# KiCad board OHSBadge.kicad_pcb
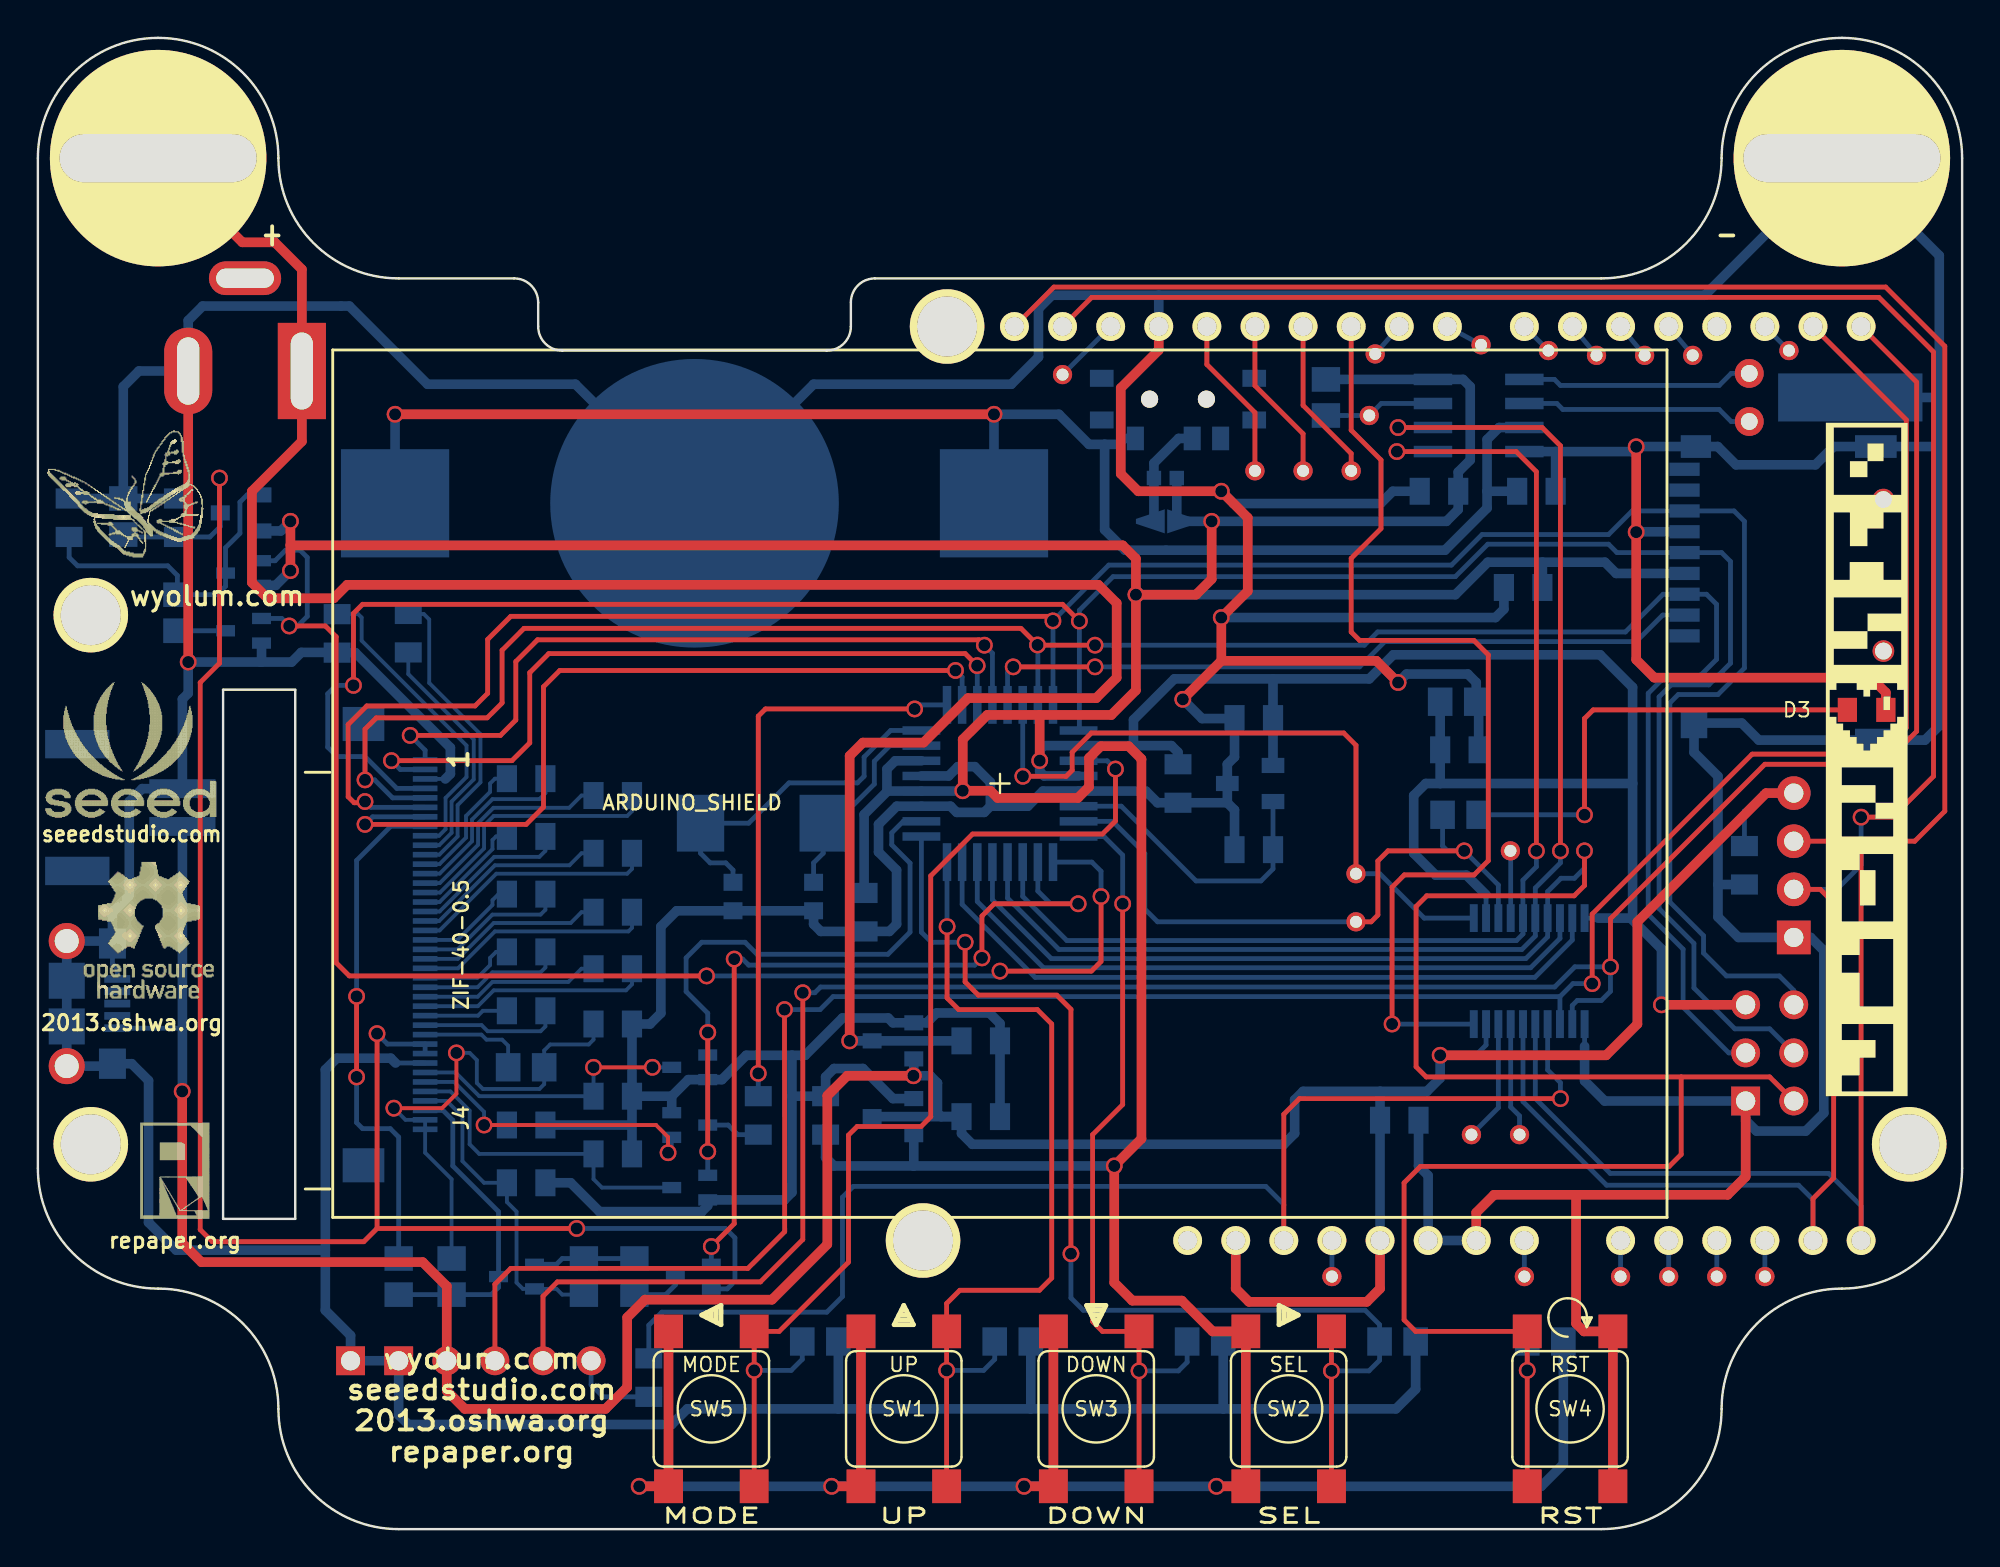
[diagram p0: board, top side]
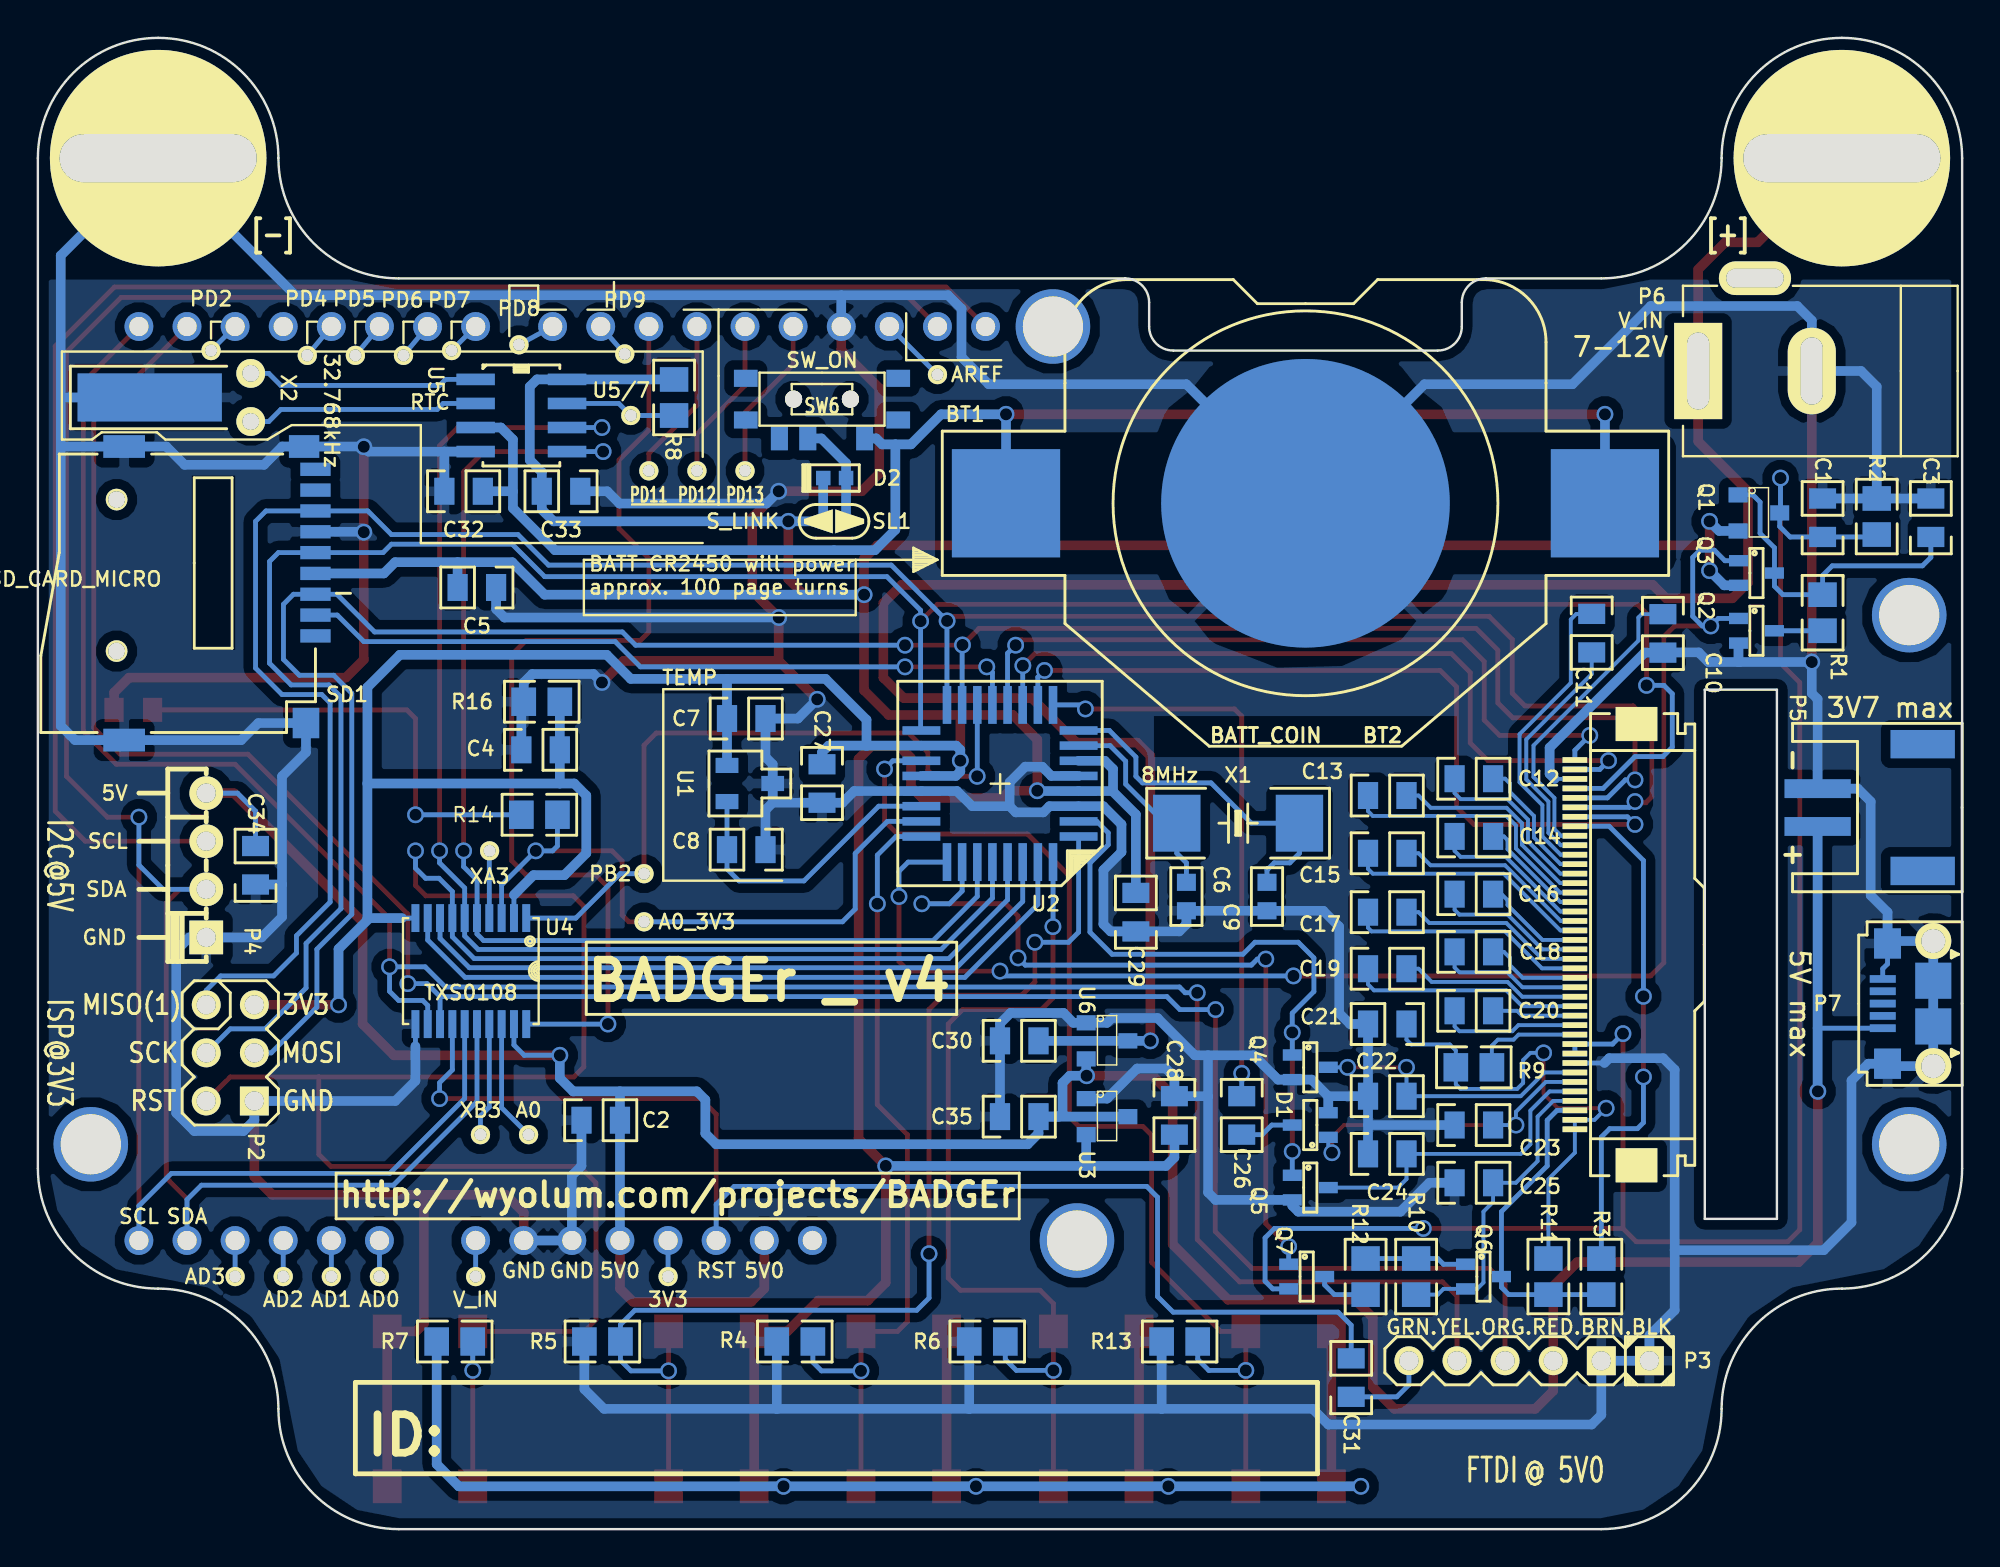
[diagram p1: board, bottom side, seen from below]

Outline 101.6 x 78.74 mm; copper layers: Top, Bottom. Coordinates in mm from the lower left corner of the outline.
Outline path: 0,72.39 arc(1.86,76.88) 6.35,78.74 arc(10.84,76.88) 12.7,72.39 arc(14.56,67.9) 19.05,66.04 25.15,66.04 arc(26.04,65.67) 26.42,64.77 26.42,63.5 arc(26.79,62.6) 27.69,62.23 41.66,62.23 arc(42.55,62.6) 42.93,63.5 42.93,64.77 arc(43.3,65.67) 44.2,66.04 82.55,66.04 arc(87.04,67.9) 88.9,72.39 arc(90.76,76.88) 95.25,78.74 arc(99.74,76.88) 101.6,72.39 101.6,19.05 arc(99.74,14.56) 95.25,12.7 arc(90.76,10.84) 88.9,6.35 arc(87.04,1.86) 82.55,0 19.05,0 arc(14.56,1.86) 12.7,6.35 arc(10.84,10.84) 6.35,12.7 arc(1.86,14.56) 0,19.05 0,72.39 ; 9.78,44.32 9.78,16.38 13.59,16.38 13.59,44.32 9.78,44.32

## Placement (name value [footprint] x y rotation side)
A0  -  [I/O]  75.69 20.83 0 bottom
A0_3V3  -  [I/O]  69.6 32.07 0 bottom
AD0  I/O  [Breakout]  83.57 13.33 0 bottom
AD1  I/O  [Breakout]  86.11 13.33 0 bottom
AD2  I/O  [Breakout]  88.65 13.33 0 bottom
AD3  I/O  [Breakout]  91.19 13.33 0 bottom
AREF1  I/O  [Breakout]  54.1 60.96 0 bottom
BT1  Batt_Clip  [CR2450_SMD]  34.67 54.17 180 bottom
BT2  BATT_COIN  [CR2032]  34.67 54.17 0 bottom
C1  2.2u,16V  [c_0805]  7.37 53.4 90 bottom
C2  0.1u,16V  [c_0805]  71.88 21.59 180 bottom
C3  0.1u,16V  [c_0805]  1.65 53.4 90 bottom
C4  0.1u,16V  [c_0805]  75.06 41.15 180 bottom
C5  0.1u,16V  [c_0805]  78.42 49.72 0 bottom
C6  22pF  [c_0603]  40.96 33.4 270 bottom
C7  1u,16V  [c_0805]  64.2 42.8 180 bottom
C8  0.1u,16V  [c_0805]  64.2 35.88 0 bottom
C9  22pF  [c_0603]  36.7 33.4 270 bottom
C10  2.2u,10V  [c_0805]  15.8 47.29 270 bottom
C11  2.2u,16V  [c_0805]  19.56 47.31 270 bottom
C12  2.2u,16V  [c_0805]  25.78 39.62 180 bottom
C13  2.2u,25V  [c_0805]  30.35 38.73 180 bottom
C14  2.2u,16V  [c_0805]  25.78 36.58 180 bottom
C15  2.2u,25V  [c_0805]  30.35 35.69 180 bottom
C16  2.2u,25V  [c_0805]  25.78 33.53 180 bottom
C17  2.2u,16V  [c_0805]  30.35 32.58 180 bottom
C18  2.2u,16V  [c_0805]  25.78 30.48 180 bottom
C19  2.2u,16V  [c_0805]  30.35 29.59 180 bottom
C20  2.2u,16V  [c_0805]  25.78 27.37 180 bottom
C21  1u,10V  [c_0805]  30.35 26.67 0 bottom
C22  2.2u,25V  [c_0805]  30.35 22.86 180 bottom
C23  2.2u,25V  [c_0805]  25.78 21.34 180 bottom
C24  2.2u,16V  [c_0805]  30.35 19.81 180 bottom
C25  2.2u,16V  [c_0805]  25.78 18.29 180 bottom
C26  0.1u,16V  [c_0805]  38.04 21.84 270 bottom
C27  0.1u,16V  [c_0805]  60.2 39.37 270 bottom
C28  2.2u,16V  [c_0805]  41.59 21.84 270 bottom
C29  0.1u,16V  [c_0805]  43.62 32.58 90 bottom
C30  2.2u,16V  [c_0805]  49.78 25.78 180 bottom
C31  0.1u,16V  [c_0805]  32.26 8 90 bottom
C32  0.1u,16V  [c_0805]  79.12 54.8 180 bottom
C33  0.1u,16V  [c_0805]  73.98 54.8 0 bottom
C34  0.1u,16V  [c_0805]  90.11 35.05 90 bottom
C35  2.2u,16V  [c_0805]  49.78 21.78 180 bottom
D1  BAT54SW  [SOT323]  34.42 21.34 270 bottom
D2  DB2S20500L  [d_VMD2]  59.56 55.5 0 bottom
D3  DEBUG  [led_0805]  96.56 43.26 180 top
G1  WYO  [wyo_logo]  0.13 58.42 0 top
G2  -  [seeed]  0.13 44.96 0 top
G3  repaper  [repaper_logo]  5.4 21.46 0 top
G4  OSHW  [OSHW_logo]  2.22 35.43 0 top
G5  OSHW  [OHS2013]  96.52 40.64 0 top
H1  I/O  [vite_3mm]  6.35 72.39 0 top
H2  I/O  [vite_3mm]  95.25 72.39 0 top
H5  I/O  [vite_3mm#2]  2.79 48.26 0 top
H6  I/O  [vite_3mm#2]  2.79 20.32 0 top
J4  ZIF-40-0.5  [ZIF-40-0.5-M_seeed]  4.32 30.86 90 top
P1  -  [PCB]  50.8 39.37 0 top
P2  ISP  [Header_ISP]  91.44 25.15 90 bottom
P3  FTDI  [Header_FTDI]  22.86 8.89 0 bottom
P4  C3SB  [pin_strip_4-90]  92.71 35.05 270 bottom
P5  JST_3V7  [CONN_JST-2_SMD]  0.38 38.1 90 bottom
P6  V_IN  [JACK_ALIM]  7.94 61.15 0 bottom
P7  UUSB_B  [USB_B_Micro]  4.19 27.75 0 bottom
PB2  -  [I/O]  69.6 34.61 0 bottom
PD2  I/O  [Breakout]  92.46 62.23 0 bottom
PD4  I/O  [Breakout]  87.38 61.98 0 bottom
PD5  I/O  [Breakout]  84.84 61.98 0 bottom
PD6  I/O  [Breakout]  82.3 61.98 0 bottom
PD7  I/O  [Breakout]  79.76 62.23 0 bottom
PD8  I/O  [Breakout]  76.2 62.53 0 bottom
PD9  I/O  [Breakout]  70.61 62.05 0 bottom
PD11  I/O  [Breakout]  69.34 55.88 0 bottom
PD12  I/O  [Breakout]  66.8 55.88 0 bottom
PD13  I/O  [Breakout]  64.26 55.88 0 bottom
Q1  DMG2301U-7  [SOT23]  10.73 53.66 270 bottom
Q2  2N7002KW  [SOT323]  10.86 47.43 90 bottom
Q3  BSS84W  [SOT323]  10.86 50.48 90 bottom
Q4  2N7002KW  [SOT323]  34.42 24.38 90 bottom
Q5  2N7002KW  [SOT323]  34.42 18.03 90 bottom
Q6  2N7002KW  [SOT323]  25.27 13.33 90 bottom
Q7  BSS84W  [SOT323]  34.61 13.33 90 bottom
R1  33k  [r_0805]  7.37 48.39 270 bottom
R2  33k  [r_0805]  4.51 53.47 270 bottom
R3  0R(NC)  [r_0805]  19.05 13.33 90 bottom
R4  10k  [r_0805]  61.63 9.91 0 bottom
R5  10k  [r_0805]  71.79 9.91 0 bottom
R6  10k  [r_0805]  51.47 9.91 0 bottom
R7  10k  [r_0805]  79.59 9.91 180 bottom
R8  10k  [r_0805]  68.01 59.75 270 bottom
R9  2k  [r_0805]  25.78 24.38 180 bottom
R10  100k  [r_0805]  28.83 13.33 90 bottom
R11  100k  [r_0805]  21.84 13.33 270 bottom
R12  100k  [r_0805]  31.5 13.33 90 bottom
R13  10k  [r_0805]  41.31 9.91 0 bottom
R14  1k5  [r_0805]  75.12 37.72 180 bottom
R16  10k  [r_0805]  74.99 43.69 0 bottom
SD1  SD_CARD_MICRO  [SD_Micro_seeed]  86.94 51.56 0 bottom
SHIELD1  ARDUINO_SHIELD  [ARDUINO_SHIELD_040pins]  32.77 12.7 0 top
SL1  S_LINK  [ShortLink]  59.56 53.21 0 bottom
SW1  UP  [SW_SMD]  45.72 6.35 180 top
SW2  SEL  [SW_SMD]  66.04 6.35 180 top
SW3  DOWN  [SW_SMD]  55.88 6.35 180 top
SW4  RST  [SW_SMD]  80.9 6.35 180 top
SW5  MODE  [SW_SMD]  35.56 6.35 180 top
SW6  SW_ON  [SW_SLIDE_seeed]  60.2 61.21 180 bottom
U1  MCP9700AT-E/TT  [SOT23-3-Temp]  64.01 39.37 270 bottom
U2  ATMEGA328-AU-ND  [TQFP32]  50.8 39.37 0 bottom
U3  MCP1700T-33  [SOT23]  45.15 21.78 270 bottom
U4  TXS0108  [TXS0108EPWR]  78.74 29.46 0 bottom
U5  BQ32000  [SO8E]  76.07 58.8 270 bottom
U5/7  -  [I/O]  70.29 58.8 0 bottom
U6  MCP1702T-50  [SOT23]  45.15 25.78 270 bottom
V1  I/O  [Breakout]  78.49 13.33 0 bottom
V2  I/O  [Breakout]  68.33 13.33 0 bottom
X1  8MHz  [Xtal_SMD]  38.23 37.27 180 bottom
X2  32.768kHz  [XTAL_3]  90.36 59.75 270 bottom
XA3  -  [I/O]  77.75 35.81 0 bottom
XB3  -  [I/O]  78.23 20.83 0 bottom

## Footprints (pads in the part's own frame, mm; a bottom-side part is the same pattern mirrored in y, then rotated)
ARDUINO_SHIELD_040pins
  round 1.524 hole 1.016: 0(63.5,50.8) 1(60.96,50.8) 2(58.42,50.8) 3(55.88,50.8) 3V3(35.56,2.54) 4(53.34,50.8) 5(50.8,50.8) 5V_1(30.48,2.54) 5V_2(38.1,2.54) 6(48.26,50.8) 7(45.72,50.8) 8(41.656,50.8) 9(39.116,50.8) 10(36.576,50.8) 11(34.036,50.8) 12(31.496,50.8) 13(28.956,50.8) AD0(50.8,2.54) AD1(53.34,2.54) AD2(55.88,2.54) AD3(58.42,2.54) AD4(60.96,2.54) AD5(63.5,2.54) AD42(21.336,50.8) AD52(18.796,50.8) AREF(23.876,50.8) GND1(40.64,2.54) GND2(43.18,2.54) GND3(26.416,50.8) NC(27.94,2.54) RST(33.02,2.54) V_IN(45.72,2.54)
  round 3.937 hole 3.175: H1(13.97,2.54) H2(66.04,7.62) H4(15.24,50.8)
Breakout
  round 1.016 hole 0.635: 1(0,0)
c_0603
  rect 0.899x1.001 smd: 1(0.752,0) 2(-0.752,0)
c_0805
  rect 1.067x1.422 smd: 1(1.016,0) 2(-1.016,0)
CONN_JST-2_SMD
  rect 1.499x3.396 smd: (-3.348,1.699) (3.348,1.699)
  rect 0.996x3.498 smd: 1(-0.998,7.249) 2(0.998,7.249)
CR2450_SMD
  rect 5.715x5.715 smd: +(-15.812,0) +(15.812,0)
  round 15.24 smd: -(0,0)
d_VMD2
  rect 0.762x0.762 smd: 1(-0.635,0) 2(0.572,0)
Header_FTDI
  rect 1.524x1.524 hole 1.016: 1(-6.35,0) 2(-3.81,0)
  round 1.524 hole 1.016: 3(-1.27,0) 4(1.27,0) 5(3.81,0) 6(6.35,0)
Header_ISP
  round 1.524 hole 1.016: 1(2.54,1.27) 2(2.54,-1.27) 3(0,1.27) 4(0,-1.27) 5(-2.54,1.27)
  rect 1.524x1.524 hole 1.016: 6(-2.54,-1.27)
I/O
  round 1.016 hole 0.635: 1(0,0)
JACK_ALIM
  rect 2.54x5.08 hole 1.168x4.064: 1(6,0)
  oval 2.54x4.572 hole 1.168x3.556: 2(0,0)
  oval 3.81x1.778 hole 3.048x1.016: 3(3,-4.9)
led_0805
  rect 1.016x1.27 smd: 1(1.016,0) 2(-1.016,0)
pin_strip_4-90
  round 1.778 hole 1.016: 1(-3.81,0) 2(-1.27,0) 3(1.27,0)
  rect 1.778x1.778 hole 1.016: 4(3.81,0)
r_0805
  rect 1.3x1.499 smd: 1(0.953,0) 2(-0.953,0)
SD_Micro_seeed
  rect 1.6x0.7 smd: 1(0,4.399) 2(0,3.299) 3(0,2.2) 4(0,1.1) 5(0,0) 6(0,-1.1) 7(0,-2.2) 8(0,-3.299) 9(0,-4.399)
  rect 1.6x1.2 smd: G1(0.6,-5.6)
  rect 2.2x1.2 smd: G2(10.1,-5.6) G3(10.1,9.9)
  rect 1.4x1.6 smd: G4(0.5,9)
  round 1.143 hole 0.889: H1(10.5,-2.8) H2(10.5,5.2)
ShortLink
  trapezoid 1.524x0.762 smd: 1(-0.826,0) 2(0.826,0)
SO8E
  rect 0.61x2.032 smd: 1(-1.905,-2.413) 2(-0.635,-2.413) 3(0.635,-2.413) 4(1.905,-2.413) 5(1.905,2.413) 6(0.635,2.413) 7(-0.635,2.413) 8(-1.905,2.413)
SOT23
  rect 0.8x1.001 smd: 1(-0.953,-1.1) 2(0.953,-1.1) 3(0,1.1)
SOT23-3-Temp
  rect 0.8x1.199 smd: 1(-0.953,-1.206) 2(0.953,-1.206) 3(0,1.206)
SOT323
  rect 0.599x1.001 smd: 1(0.65,0.95) 2(-0.65,0.95) 3(0,-0.95)
SW_SLIDE_seeed
  rect 0.9x1.25 smd: 1(2.25,-3.625) 2(-0.75,-3.625) 3(-2.25,-3.625)
  rect 1.25x0.9 smd: 4(-4.025,-2.65) 5(-4.025,-0.45) 6(4.025,-0.45) 7(4.025,-2.65)
  round 0.9 hole 0.9: 8(-1.5,-1.55) 9(1.5,-1.55)
SW_SMD
  rect 1.524x1.778 smd: 1(-2.261,4.089) 1(-2.261,-4.089) 2(2.261,4.089) 2(2.261,-4.089)
TQFP32
  rect 1.999x0.45 smd: 1(-4.15,2.799) 2(-4.15,1.999) 3(-4.15,1.199) 4(-4.15,0.399) 5(-4.15,-0.399) 6(-4.15,-1.199) 7(-4.15,-1.999) 8(-4.15,-2.799) 17(4.15,-2.799) 18(4.15,-1.999) 19(4.15,-1.199) 20(4.15,-0.399) 21(4.15,0.399) 22(4.15,1.199) 23(4.15,1.999) 24(4.15,2.799)
  rect 0.45x1.999 smd: 9(-2.799,-4.15) 10(-1.999,-4.15) 11(-1.199,-4.15) 12(-0.399,-4.15) 13(0.399,-4.15) 14(1.199,-4.15) 15(1.999,-4.15) 16(2.799,-4.15) 25(2.799,4.15) 26(1.999,4.15) 27(1.199,4.15) 28(0.399,4.15) 29(-0.399,4.15) 30(-1.199,4.15) 31(-1.999,4.15) 32(-2.799,4.15)
TXS0108EPWR
  rect 0.419x1.471 smd: 1(-2.926,-2.799) 2(-2.276,-2.799) 3(-1.626,-2.799) 4(-0.975,-2.799) 5(-0.325,-2.799) 6(0.325,-2.799) 7(0.975,-2.799) 8(1.626,-2.799) 9(2.276,-2.799) 10(2.926,-2.799) 11(2.926,2.799) 12(2.276,2.799) 13(1.626,2.799) 14(0.975,2.799) 15(0.325,2.799) 16(-0.325,2.799) 17(-0.975,2.799) 18(-1.626,2.799) 19(-2.276,2.799) 20(-2.926,2.799)
USB_B_Micro
  rect 1.372x0.406 smd: 1(0,1.3) 2(0,0.65) 3(0,0) 4(0,-0.65) 5(0,-1.3)
  rect 1.422x1.6 smd: T1(-0.254,3.175) T2(-0.254,-3.175)
  rect 1.905x1.905 smd: T3(-2.667,1.206) T4(-2.667,-1.206)
  round 1.905 hole 1.27: T5(-2.667,3.302) T6(-2.667,-3.302)
vite_3mm
  round 11.43 hole 10.414x2.54: 1(0,0)
vite_3mm#2
  round 3.937 hole 3.175: 1(0,0)
XTAL_3
  round 1.524 hole 0.889: 1(-1.27,0) 2(1.27,0)
  rect 2.54x7.62 smd: 3(0,-5.334)
Xtal_SMD
  rect 2.5x3 smd: 1(3.239,0) 2(-3.239,0)
ZIF-40-0.5-M_seeed
  rect 0.3x1.3 smd far side: 1(9.75,-16.129) 2(9.25,-16.129) 3(8.75,-16.129) 4(8.25,-16.129) 5(7.75,-16.129) 6(7.25,-16.129) 7(6.75,-16.129) 8(6.25,-16.129) 9(5.75,-16.129) 10(5.25,-16.129) 11(4.75,-16.129) 12(4.25,-16.129) 13(3.75,-16.129) 14(3.25,-16.129) 15(2.75,-16.129) 16(2.25,-16.129) 17(1.75,-16.129) 18(1.25,-16.129) 19(0.75,-16.129) 20(0.25,-16.129) 21(-0.25,-16.129) 22(-0.75,-16.129) 23(-1.25,-16.129) 24(-1.75,-16.129) 25(-2.25,-16.129) 26(-2.75,-16.129) 27(-3.25,-16.129) 28(-3.75,-16.129) 29(-4.25,-16.129) 30(-4.75,-16.129) 31(-5.25,-16.129) 32(-5.75,-16.129) 33(-6.25,-16.129) 34(-6.75,-16.129) 35(-7.25,-16.129) 36(-7.75,-16.129) 37(-8.25,-16.129) 38(-8.75,-16.129) 39(-9.25,-16.129) 40(-9.75,-16.129)
  rect 1.8x2.2 smd far side: 41(-11.65,-12.875) 42(11.65,-12.875)
